# Altium PCB PCB1.PcbDoc (continued)
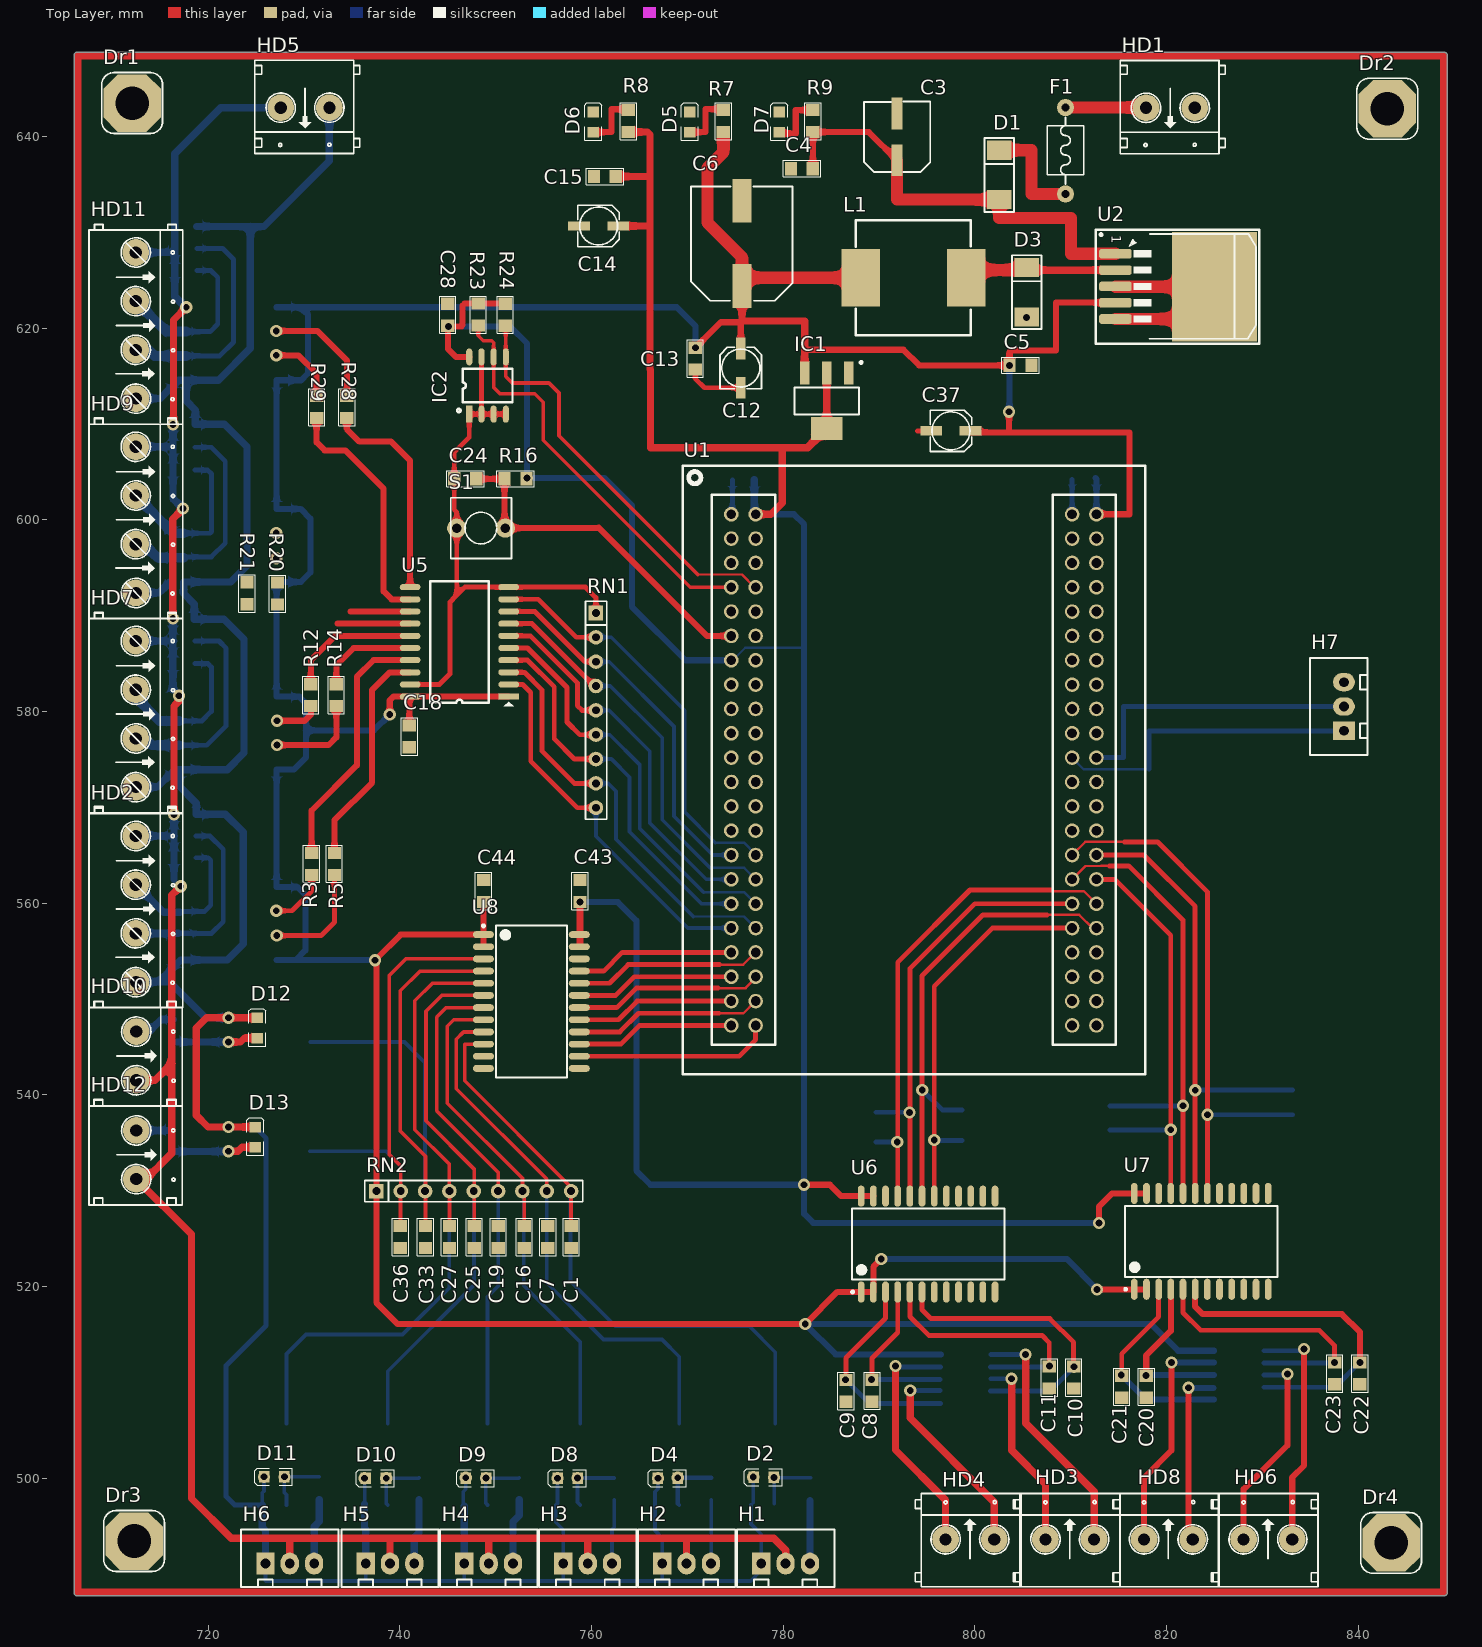
[diagram p0: Top Layer view]
## Footprints (in the part's own frame and the unit in brackets; to place one, negate y for a bottom-side part, rotate by r counter-clockwise, add the part's x,y. Pads: shape width x height; smd on the part's side, far side on the other; paste and mask are expansions set on the pad) (continued)
INDUCTOR_SMD [mm] "100uH/3A SMD 12x12x8mm inductor"
  rect 4x6 smd: 1(0,0) 2(11,0)
  silkscreen extent -0.5,-6 11.5,6, body extent -0.5,-6 11.5,6, height 10
LED_0805_Blue [mm] "Chip LED, 2-Leads, Body 2.0x1.3mm, IPC Medium Density"
  rect 1.1x1.2 smd: 1(-1.05,0) 2(1.05,0)
  silkscreen extent -1.91,-0.89 2.03,0.89, body extent -1.01,-0.62 1.01,0.63, height 1.1
RES-SM-0805 [mil]
  rect 50x55 smd: 1(0,0) 2(90,0)
  silkscreen extent -32,-34 121,33, body extent 6,-25 84,24, height 10
RN8 [mil] "R SIP8, 9 Pin"
  rect 60x60 hole 32: 1(0,0)
  round 60 hole 32: 2(100,0) 3(200,0) 4(300,0) 5(400,0) 6(500,0) 7(600,0) 8(700,0) 9(800,0)
  silkscreen extent -48,-43 847,44, body extent -43,-25 843,24, height 219
SO14-150mil [mm] "Small Outline; 14 Leads; Body Width 3.9 mm; Pitch 1.27 mm"
  rect 0.6x2 smd: 1(-3.81,-2.6) 2(-2.54,-2.6) 3(-1.27,-2.6) 4(0,-2.6) 5(1.27,-2.6) 6(2.54,-2.6) 7(3.81,-2.6) 8(3.81,2.6) 9(2.54,2.6) 10(1.27,2.6) 11(0,2.6) 12(-1.27,2.6) 13(-2.54,2.6) 14(-3.81,2.6)
  silkscreen extent -4.78,-2.72 4.38,1.1, body extent -4.32,-3 4.32,3.2, height 1.7
SOIC8 [mil]
  rect 70x25 smd: 1(0,0)
  oval 70x25 smd: 2(0,-50) 3(0,-100) 4(0,-150) 5(235,-150) 6(235,-100) 7(235,-50) 8(235,0)
  silkscreen extent 8,-178 187,50, body extent -1,-171 235,21, height 69
soic20 [mil]
  rect 85x25 smd: 1(0,0)
  oval 85x25 smd: 2(0,-50) 3(0,-100) 4(0,-150) 5(0,-200) 6(0,-250) 7(0,-300) 8(0,-350) 9(0,-400) 10(0,-450) 11(405,-450) 12(405,-400) 13(405,-350) 14(405,-300) 15(405,-250) 16(405,-200) 17(405,-150) 18(405,-100) 19(405,-50) 20(405,0)
  silkscreen extent -20,-475 323,40, body extent 0,-473 410,23, height 102
"SOIC24 - wide" [mm] "SOIC, 24-Leads, Body 15.4x7.5mm, Pitch 1.27mm, IPC Low Density"
  oval 2.2x0.7 smd: 1(-5,6.985) 2(-5,5.715) 3(-5,4.445) 4(-5,3.175) 5(-5,1.905) 6(-5,0.635) 7(-5,-0.635) 8(-5,-1.905) 9(-5,-3.175) 10(-5,-4.445) 11(-5,-5.715) 12(-5,-6.985) 13(5,-6.985) 14(5,-5.715) 15(5,-4.445) 16(5,-3.175) 17(5,-1.905) 18(5,-0.635) 19(5,0.635) 20(5,1.905) 21(5,3.175) 22(5,4.445) 23(5,5.715) 24(5,6.985)
  silkscreen extent -5.12,-7.95 3.7,8.01, body extent -5.15,-7.8 5.15,7.8, height 2.65
"SOP4 2.54" [mm]
  rect 2x1.2 smd: 1(0,0)
  oval 2x1.2 smd: 2(0,-2.54) 3(8.5,-2.54) 4(8.5,0)
  silkscreen extent 1.3,-3.81 7.24,1.27, body extent -0.78,-3.56 9.22,1.02, height 3.85
SOT223-4N [mm] "SOT223, 4-Leads, Body 6.5x3.5mm, Pitch 2.3mm, Lead Span 7mm, IPC Medium Density"
  rect 2.4x1 smd: 1(-2.9,2.3) 2(-2.9,0) 3(-2.9,-2.3)
  rect 2.4x3.3 smd: 4(2.9,0)
  silkscreen extent -4.14,-3.35 1.4,3.71, body extent -3.39,-3.27 3.5,3.23, height 1.72
STM_CPLD_Board [mil] "Stm32f4 and Max2 520 on one board"
  round 60 hole 40: 1(0,0) 2(0,-100) 3(0,-200) 4(0,-300) 5(0,-400) 6(0,-500) 7(0,-600) 8(0,-700) 9(0,-800) 10(0,-900) 11(0,-1000) 12(0,-1100) 13(0,-1200) 14(0,-1300) 15(0,-1400) 16(0,-1500) 17(0,-1600) 18(0,-1700) 19(0,-1800) 20(0,-1900) 21(0,-2000) 22(0,-2100) 23(100,-2100) 24(100,-2000) 25(100,-1900) 26(100,-1800) 27(100,-1700) 28(100,-1600) 29(100,-1500) 30(100,-1400) 31(100,-1300) 32(100,-1200) 33(100,-1100) 34(100,-1000) 35(100,-900) 36(100,-800) 37(100,-700) 38(100,-600) 39(100,-500) 40(100,-400) 41(100,-300) 42(100,-200) 43(100,-100) 44(100,0) 45(1400,0) 46(1400,-100) 47(1400,-200) 48(1400,-300) 49(1400,-400) 50(1400,-500) 51(1400,-600) 52(1400,-700) 53(1400,-800) 54(1400,-900) 55(1400,-1000) 56(1400,-1100) 57(1400,-1200) 58(1400,-1300) 59(1400,-1400) 60(1400,-1500) 61(1400,-1600) 62(1400,-1700) 63(1400,-1800) 64(1400,-1900) 65(1400,-2000) 66(1400,-2100) 67(1500,-2100) 68(1500,-2000) 69(1500,-1900) 70(1500,-1800) 71(1500,-1700) 72(1500,-1600) 73(1500,-1500) 74(1500,-1400) 75(1500,-1300) 76(1500,-1200) 77(1500,-1100) 78(1500,-1000) 79(1500,-900) 80(1500,-800) 81(1500,-700) 82(1500,-600) 83(1500,-500) 84(1500,-400) 85(1500,-300) 86(1500,-200) 87(1500,-100) 88(1500,0)
  silkscreen extent -200,-2300 1700,200
SW2 [mm] "SW button 2pin, 250x 250 mil"
  round 2 hole 1: 1(0,0) 2(5.08,0)
  silkscreen extent -0.64,-3.17 5.71,3.17, body extent -0.51,-3.05 5.59,3.05, height 4.2
TO263 [mm]
  rect 11.43x8.89 smd: 0(3.429,10.338)
  rrect50% 1x3.4 smd: 1(0,0) 2(1.7,0) 4(5.1,0) 5(6.8,0)
  rrect50% 1x3.4 smd mask+0: 3(3.4,0)
  silkscreen extent -2.51,-2.03 9.37,15.01, body extent -1.68,-0.86 8.48,13.78, height 4.57

## Part data
C1 C2 C4 C5 C7 C8 C9 C10 C11 C13 C15 C16 C17 C18 C19 C20 C21 C22 C23 C24 C25 C26 C27 C28 C29 C30 C31 C32 C33 C34 C35 C36 C38 C39 C40 C41 C42 C43 C44: library part CAP_SM_0805, "Ceramic Capacitor SMD"
C3 C6: library part Cap_SM_Alu, "SMD Aluminum Electrolytic Capacitor"
C12 C14 C37: library part CP2, "C 47uF/50V , 220uF/16V"
D1: library part Diode, "General Rectifier"
D2 D4 D5 D6 D7 D8 D9 D10 D11 D12 D13: library part LED_SMD, "LED SMD"
D3: "Surface Mount Schottky Barrier Rectifier"
Dr1 Dr2 Dr3 Dr4: library part "Drill 3mm", "Drill 3mm"
F1: library part "Ferrite bead", "Ferrite bead"
H1 H2 H3 H4 H5 H6 H7: library part "Header white 3", "Connector 3"
HD1 HD3 HD4 HD5 HD6 HD8 HD10 HD12: library part "Domino 2", "Domino 2 200mil"
HD2 HD7 HD9 HD11: library part "Domino 4", "Domino 4 200mil"
IC1: library part LM1117, "Available in 1.8V, 2.5V, 2.85V, 3.3V, 5V, and  Adjustable Versions"
IC2: "Standard 2-Wire Bus Interface Serial EEPROM"
L1: library part L1, "Inductor"
OP1 OP3 OP4 OP6 OP7 OP9 OP10 OP12: "OPTO"
OP2 OP5 OP8 OP11: "High CMR, High Speed TTL Compatible Optocouplers"
R1 R2 R3 R4 R5 R6 R7 R8 R9 R10 R11 R12 R13 R14 R15 R16 R17 R18 R19 R20 R21 R22 R23 R24 R25 R26 R27 R28 R29 R30: library part Res-SMD, "Resistor"
RN1 RN2: library part RN8, "Resistor 8 (Thanh)"
S1: library part "SW - 2Pin", "Switch button 2 pin"
U1: "STM32f4 and Max2 570 on one board"
U2: library part LM2596, "SIMPLE SWITCHER® Power Converter 150-kHz - 3A Step-Down Voltage Regulator"
U3 U4: "Hex Inverters With SCHMITT-TRIGGER Inputs"
U5: library part 74HC245, "Octal bus tranceiver"
U6 U7 U8: "Octal dual supply translating transceiver; 3-state"

## Via types
v1: diameter 1.27, hole 0.711, Top Layer to Bottom Layer, 69 vias

## Nets (pads, with @x,y where several pads share a name; then routed paths per layer and width w, separated by ;. In a path a pad name is that pad's centre, name@x,y a point inside that pad or via, vN(x,y) a via of type N, cw(c..) or ccw(c..) an arc to the next point about the centre after c; other vN are vias at no path point)
3V3: C14.1 C15.1 C28.2 C35.1 C43.2 IC1.2 IC1.4 IC2.8 R8.1 R16.1 R23.2 R24.1 U1.7 U1.44 U6.23 U6.24 U7.23 U7.24 U8.23 U8.24 | length 337.8
  Top Layer w0.381: U8.23 U8.23@758.791,555.539 ; v1@782.168,530.497 v1(782.168,530.628)
  Top Layer w0.635: IC2.8 745.835,617.001 744.995,617.841 744.995,620.189 746.396,620.189 746.524,620.317 746.524,622.356 746.736,622.568 R23.2 R24.1@750.86,622.568 ; v1(782.168,530.628) 784.854,530.628 786.044,529.438 U6.24 U6.23 ; v1(812.925,526.642) 812.925,528.328 814.318,529.72 U7.24 U7.23
  Top Layer w0.762: U8.23@758.791,555.539 v1(758.791,560.124) ; C15.1 766.05,635.821 ; C14.1 765.998,630.666 ; R8.1 765.818,640.466 766.08,640.203 766.08,615.71 ; 766.131,615.658 766.131,607.524 782.541,607.524 IC1.4 IC1.2 ; U1.44 778.724,600.588 779.897,601.761 779.897,607.403
  Bottom Layer w0.254: U1.7 774.719,585.348 776.032,586.661 782.179,586.661
  Bottom Layer w0.635: v1(745.057,620.164) 751.509,620.164 753.271,618.402 v1(753.271,604.379) 761.337,604.379 764.198,601.518 764.198,590.943 769.793,585.348 U1.7 ; v1(758.791,560.124) 762.725,560.124 764.672,558.176 764.672,532.098 766.142,530.628 v1(782.168,530.628) ; U1.44 781.103,600.588 782.168,599.523 v1(782.168,530.628) ; v1(812.925,526.642) 783.126,526.642 782.168,527.599 v1(782.168,530.628)
  Bottom Layer w0.762: U1.44@776.977,600.724 C35.1
5V: C5.2 C6.1 C12.1 C13.1 C18.2 C37.1 C38.1 C44.2 IC1.3 L1.2 OP2.1 OP2.4 OP5.1 OP5.4 OP8.1 OP8.4 OP11.1 OP11.4 R7.1 RN2.1 U1.88 U2.4 U3.14 U4.14 U5.1 U5.20 U6.1 U6.2 U7.1 U7.2 U8.1 U8.2 | length 501.5
  Top Layer w0.635: v1(738.933,579.685) 738.933,581.171 739.313,581.55 U5.20 U5.1 ; C18.2 U5.20@740.976,581.47 ; U8.2@748.73,555.479 U8.1@748.73,556.729 ; C44.2 U8.1@748.73,556.729 ; C13.1 773.486,620.62 775.561,620.62 C12.1 ; 782.409,617.748 792.534,617.748 794.167,616.116 v1(803.595,616.116) 803.595,617.522 803.744,617.671 808.433,617.671 808.433,622.66 U2.4 ; v1@790.005,522.674 789.393,522.062 U6.2 U6.1 785.643,519.438 v1(782.295,516.09) 739.767,516.09 737.539,518.318 RN2.1 737.539,554.181 740.086,556.729 U8.1 U8.1@748.73,556.729 ; C37.1@799.547,609.134 803.49,609.134 ; v1(803.554,611.275) 803.554,609.198 803.49,609.134 ; U1.88 816.101,600.588 816.101,609.134 803.49,609.134 ; v1(812.722,519.699) U7.2@817.87,519.699
  Top Layer w0.762: C6.1 775.693,620.753 782.228,620.753 IC1.3@782.228,614.945
  Top Layer w1.27: R7.1 773.752,638.385 772.077,636.709 772.077,631.011 775.693,627.394 C6.1 776.552,625.256 L1.2
  Bottom Layer w0.635: OP2.4 729.116,554.071 ; OP11.1 729.641,622.186 ; 730.177,580.959 730.177,580.885 ; v1@737.406,554.071 729.116,554.071 ; v1(738.933,579.685) 737.286,578.037 730.177,578.037 ; v1(770.826,617.964) 770.826,620.237 768.877,622.186 729.641,622.186 ; v1(790.21,522.881) 809.584,522.881 812.722,519.743 v1(812.722,519.699) ; U3.14 796.425,512.921 785.464,512.921 v1(782.295,516.09) 818.404,516.09 821.193,513.301 U4.14 ; v1@803.595,611.315 v1(803.595,616.116) ; C38.1 812.673,604.265 U1.88 ; 729.116,554.071 730.129,555.084 730.129,560.863 729.301,561.691 OP2.1 OP5.4 728.925,573.937 730.177,575.189 730.177,578.037 ; 729.641,622.186 730.393,621.434 730.393,615.271 729.688,614.566 OP11.4 OP8.1 729.635,601.138 730.657,600.116 730.657,594.505 729.669,593.518 OP8.4 OP5.1 729.506,581.557 730.177,580.885 ; 730.177,578.037 730.177,580.885
  other v1: 737.406,554.049
24V: C3.1 C4.1 D1.2 R9.1 U2.1 | length 46.4
  Top Layer w0.635: C4.1@783.082,636.66 R9.1 788.937,640.466 C3.1
  Top Layer w1.27: C3.1 791.878,633.414 D1.2 802.531,631.503 810.009,631.503 810.009,627.76 U2.1
DIR_0: RN1.8 U1.27 U5.3 | length 43.5
  Top Layer w0.508: U5.3 752.995,584.09 754.806,582.28 754.806,575.897 758.198,572.505 RN1.8
  Bottom Layer w0.254: 770.593,558.615 775.906,558.615 U1.27
  Bottom Layer w0.381: RN1.8 761.716,572.505 762.539,571.681 762.539,566.669 770.593,558.615
DIR_1: RN1.6 U1.28 U5.5 | length 42.8
  Top Layer w0.508: U5.5 753.311,586.63 757.433,582.509 757.433,578.911 758.759,577.585 RN1.6
  Bottom Layer w0.254: 771.681,561.155 775.906,561.155 U1.28
  Bottom Layer w0.381: RN1.6 761.889,577.585 765.003,574.471 765.003,567.832 771.681,561.155
DIR_2: RN1.4 U1.29 U5.7 | length 41.7
  Top Layer w0.508: U5.7 753.777,589.17 RN1.4@760.283,582.665
  Bottom Layer w0.254: 772.355,563.695 775.906,563.695 U1.29
  Bottom Layer w0.381: RN1.4 761.944,582.665 767.353,577.256 767.353,568.697 772.355,563.695
DIR_3: RN1.2 U1.30 U5.9 | length 43.1
  Top Layer w0.508: U5.9 754.426,591.71 758.391,587.745 RN1.2
  Bottom Layer w0.254: 772.895,566.318 775.884,566.318 777.113,565.088 U1.30
  Bottom Layer w0.381: RN1.2 762.058,587.745 769.703,580.099 769.703,569.509 772.895,566.318
EEP_SCL: IC2.6 R23.1 U1.4 | length 43.4
  Top Layer w0.381: R23.1 748.164,619.215 748.688,618.691 749.561,618.691 749.773,618.48 IC2.6 749.773,613.815 750.426,613.162 754.056,613.162 754.956,612.261 754.956,608.3 770.287,592.968 U1.4
EEP_SDA: IC2.5 R24.2 U1.41 | length 42.9
  Top Layer w0.254: 771.057,594.302 775.676,594.302 777.01,592.968 U1.41
  Top Layer w0.381: R24.2@751.043,620.1 IC2.5 751.043,614.967 751.725,614.285 755.54,614.285 756.594,613.231 756.594,608.765 771.057,594.302
ENC_A0: C30.2 U1.71 U6.19 | length 49.4
  Top Layer w0.254: 807.501,558.778 810.879,558.778 812.249,557.408 U1.71
  Top Layer w0.508: U6.19 794.473,552.419 800.832,558.778 807.501,558.778
  Bottom Layer w0.508: v1(794.5,540.515) 796.581,538.434 C30.2
ENC_A1: C32.2 U1.72 U6.21 | length 51
  Top Layer w0.254: 807.925,561.381 808.054,561.252 811.369,561.252 U1.72
  Top Layer w0.508: U6.21 791.933,553.837 799.478,561.381 807.925,561.381
  Bottom Layer w0.508: C32.2 v1@791.866,535.084
  other v1: 791.881,535.099
ENC_A2: C40.2 U1.74 U7.19 | length 52.6
  Top Layer w0.508: U1.74 817.625,565.028 822.971,559.682 U7.19
  Bottom Layer w0.508: v1@822.979,540.498 C40.2
  other v1: 822.974,540.492
ENC_A3: C42.2 U1.73 U7.21 | length 43.2
  Top Layer w0.508: U1.73 814.593,562.488 820.431,556.65 U7.21
  Bottom Layer w0.508: C42.2 v1@820.126,536.325
  other v1: 820.418,536.363
ENC_B0: C29.2 U1.62 U6.18 | length 41.8
  Top Layer w0.508: U6.18 795.743,551.333 801.818,557.408 U1.62
  Bottom Layer w0.508: v1(795.751,535.309) 795.833,535.228 C29.2
ENC_B1: C31.2 U1.61 U6.20 | length 46.9
  Top Layer w0.508: U6.20 793.203,553.169 799.982,559.948 U1.61
  Bottom Layer w0.508: C31.2 v1@793.141,538.194
  other v1: 793.169,538.166
ENC_B2: C39.2 U1.59 U7.18 | length 57.6
  Top Layer w0.254: U1.59@810.537,565.028 U1.59 811.502,566.397 815.578,566.397
  Top Layer w0.508: 815.578,566.397 819.042,566.397 824.241,561.198 U7.18
  Bottom Layer w0.508: v1@824.267,537.929 C39.2
  other v1: 824.262,537.924
ENC_B3: C41.2 U1.60 U7.20 | length 50.5
  Top Layer w0.254: U1.60 811.53,563.885 813.146,563.885 813.151,563.89 814.015,563.89
  Top Layer w0.508: 814.015,563.89 816.04,563.89 821.701,558.229 U7.20
  Bottom Layer w0.508: C41.2 v1@821.605,538.851
  other v1: 821.716,538.868
GND: C1.1 C3.2 C4.2 C5.1 C6.2 C7.1 C8.1 C9.1 C10.1 C11.1 C12.2 C13.2 C14.2 C15.2 C16.1 C18.1 C19.1 C20.1 C21.1 C22.1 C23.1 C24.2 C25.1 C27.1 C28.1 C29.1 C30.1 C31.1 C32.1 C33.1 C35.2 C36.1 C37.2 C38.2 C39.1 C40.1 C41.1 C42.1 C43.1 C44.1 D3.2 D5.2 D6.2 D7.2 H7.3 HD1.1 IC1.1 IC2.1 IC2.2 IC2.3 IC2.4 IC2.7 OP1.3 OP3.3 OP4.3 OP6.3 OP7.3 OP9.3 OP10.3 OP12.3 RN1.1 S1.1 U1.1 U1.14 U1.31 U1.45 U1.58 U1.75 U2.0 U2.3 U2.5 U3.7 U4.7 U5.10 U5.19 U6.11 U6.12 U6.13 U6.22 U7.11 U7.12 U7.13 U7.22 U8.11 U8.12 U8.13 U8.22 | length 94.4
  Top Layer w0.508: U5.19 744.11,582.82 745.222,583.933 745.222,591.423 745.921,592.121 ; IC2.7 IC2.2 ; IC2.4 IC2.3 IC2.2 ; RN1.1 760.448,591.886 759.353,592.98 U5.10 746.78,592.98 745.921,592.121 ; D5.2@770.15,642.634 D5.2 ; C13.2 770.828,614.736 771.778,613.785 C12.2 ; 793.973,609.29 C37.2 ; 745.921,592.121 S1.1 745.921,600.811 745.671,601.062 C24.2 745.671,607.045 747.233,608.607 IC2.1 IC2.2
  Top Layer w1.27: U2.5 U2.0@821.619,620.96 ; U2.3 814.681,624.331 U2.0 U2.0@822.928,626.393
  Bottom Layer w0.508: U1.1@774.691,600.706 C35.2 ; U1.45 C38.2@810.133,604.196
  other v1: 805.374,621.11
H_DIR_0: HD2.2 OP2.7 R2.2 | length 15.5
  Bottom Layer w0.508: OP2.7@717.135,559.151 719.623,559.151 720.257,559.785 720.257,564.469 719.987,564.739 R2.2
  Bottom Layer w0.762: HD2.2 715.32,559.047 OP2.7@717.031,559.047
H_DIR_1: HD7.2 OP5.7 R11.2 | length 16.6
  Bottom Layer w0.508: OP5.7 719.325,579.017 720.328,580.02 720.328,584.637 719.971,584.994 R11.2
  Bottom Layer w1.016: HD7.2 712.436,581.487 714.905,579.017 OP5.7
H_DIR_2: HD9.2 OP8.7 R19.2 | length 17.5
  Bottom Layer w0.508: OP8.7@717.426,598.598 720.183,598.598 720.341,598.756 720.341,604.786 719.933,605.195 R19.2
  Bottom Layer w1.016: HD9.2 716.381,598.598 OP8.7@717.426,598.598
H_DIR_3: HD11.2 OP11.7 R26.2 | length 17.5
  Bottom Layer w0.508: OP11.7@717.694,619.646 720.193,619.646 720.984,620.436 720.984,625.305 720.275,626.015 R26.2
  Bottom Layer w1.016: HD11.2 715.609,619.646 OP11.7@717.694,619.646
H_ENC_A0: HD3.2 U3.1 | length 25.9
  Top Layer w0.762: v1(805.283,512.917) 805.283,505.735 812.429,498.588 HD3.2
  Bottom Layer w0.508: U3.1@801.645,512.917 v1(805.283,512.917)
H_ENC_A1: HD4.2 U3.11 | length 22.3
  Top Layer w0.762: v1(793.235,509.158) 793.235,506.287 802.012,497.511 HD4.2
  Bottom Layer w0.508: v1(793.235,509.158) U3.11@796.353,509.158
H_ENC_A2: HD6.2 U4.1 | length 24.4
  Top Layer w0.635: HD6.2 833.107,500.096 834.34,501.329 v1(834.34,513.494)
  Bottom Layer w0.508: U4.1 v1@834.146,513.301
H_ENC_A3: HD8.2 U4.11 | length 18.6
  Top Layer w0.635: v1(822.291,509.436) 822.291,494.05 HD8.2
  Bottom Layer w0.635: v1(822.291,509.436) U4.11@824.897,509.436
H_ENC_B0: HD3.1 U3.3 | length 20.4
  Top Layer w0.762: v1(803.821,510.382) 803.821,502.908 807.349,499.379 HD3.1
  Bottom Layer w0.508: U3.3@801.65,510.382 v1(803.821,510.382)
H_ENC_B1: HD4.1 U3.13 | length 24.9
  Top Layer w0.762: v1(791.699,511.714) 791.699,502.949 796.932,497.716 HD4.1
  Bottom Layer w0.508: v1@791.786,511.627 U3.13
H_ENC_B2: HD6.1 U4.3 | length 21.5
  Top Layer w0.635: HD6.1 828.027,498.851 832.59,503.415 v1(832.59,510.889)
  Bottom Layer w0.508: U4.3 v1@832.463,510.761
H_ENC_B3: HD8.1 U4.13 | length 24
  Top Layer w0.635: HD8.1 817.638,500.041 820.505,502.908 v1(820.505,512.066)
  Bottom Layer w0.635: v1(820.505,512.066) U4.13@824.916,512.066
H_IN+_0: H1.3 R1.2 | length 6.6
  Bottom Layer w0.762: H1.3 R1.2@782.779,497.668
H_IN+_1: H2.3 R4.2 | length 6.6
  Bottom Layer w0.381: H2.3@772.479,491.138 R4.2
H_IN+_2: H3.3 R10.2 | length 6.8
  Bottom Layer w0.381: H3.3 762.128,494.644 762.369,494.885 R10.2
H_IN+_3: H4.3 R13.2 | length 6.9
  Bottom Layer w0.762: H4.3 751.794,495.471 752.44,496.117 R13.2
H_IN+_4: H5.3 R17.2 | length 6.9
  Bottom Layer w0.762: H5.3 741.503,493.821 741.985,494.304 R17.2
H_IN+_5: H6.3 R18.2 | length 6.9
  Bottom Layer w0.762: H6.3 731.043,494.945 731.592,495.494 R18.2
H_IN+_6: HD10.1 R25.2 | length 4.4
  Bottom Layer w0.762: HD10.1 713.826,546.607 715.094,547.875 R25.2
H_IN+_7: HD12.1 R27.2 | length 3.7
  Bottom Layer w0.762: HD12.1 R27.2@716.142,536.288
H_IN-_0: C2.1 C17.1 C26.1 C34.1 D2.2 D4.2 D8.2 D9.2 D10.2 D11.2 D12.2 D13.2 H1.1 H2.1 H3.1 H4.1 H5.1 H6.1 HD2.4 HD5.1 HD7.4 HD9.4 HD11.4 OP1.2 OP2.5 OP3.2 OP4.2 OP5.5 OP6.2 OP7.2 OP8.5 OP9.2 OP10.2 OP11.5 OP12.2 | length 350.1
  Top Layer w0.762: D13.2@724.63,536.656 v1(722.104,536.656) 719.964,536.656 718.743,537.877 718.743,546.977 719.819,548.053 v1(722.123,548.053) D12.2@724.821,548.053
  Bottom Layer w0.381: OP9.2 725.617,498.48 725.813,498.676 v1(725.813,500.147) ; H6.1 725.963,489.302 725.989,489.276 776.588,489.276 777.699,490.387 H1.1 777.699,494.154 776.63,495.224 OP1.2 ; OP7.2@736.308,497.316 v1(736.308,499.994) ; 736.423,489.387 H5.1 ; OP6.2 746.6,498.596 746.873,498.869 v1(746.873,500.05) ; 746.714,489.319 H4.1 ; v1(756.433,500) 756.433,497.374 OP4.2 756.265,495.401 757.048,494.617 H3.1 757.048,489.281 ; v1(766.925,500) 766.925,498.918 766.607,498.6 OP3.2 766.607,494.557 767.362,493.802 H2.1 767.362,489.292 ; OP1.2@776.865,497.44 v1(776.865,500.144)
  Bottom Layer w0.508: v1(722.104,536.656) 724.831,536.656 726.029,535.458 726.029,515.934 721.846,511.752 721.846,498.113 722.754,497.205 OP9.2
  Bottom Layer w0.762: HD2.4 714.836,551.772 ; HD7.4 714.704,572.116 716.525,573.937 OP5.5 ; HD9.4 714.855,592.383 OP8.5@715.99,593.518 ; HD11.4 714.997,612.659 716.904,614.566 OP11.5@717.694,614.566 ; C17.1@718.542,589.637 718.542,591.199 717.426,592.315 717.426,593.518 722.329,593.518 724.033,595.222 724.033,607.644 721.695,609.982 C26.1 718.649,611.466 717.694,612.421 OP11.5@717.694,614.566 ; C17.1 721.636,589.637 723.732,587.541 723.732,575.696 721.973,573.937 OP5.5 ; C34.1 724.392,630.611 ; v1(722.123,548.053) 719.706,548.053 715.986,551.772 714.836,551.772 ; OP9.2 725.617,494.903 725.963,494.557 H6.1 ; HD5.1 732.635,637.436 725.809,630.611 724.392,630.611 ; OP7.2@736.308,497.316 736.308,494.754 736.423,494.639 H5.1 ; H4.1 OP6.2@746.714,497.091 ; 714.836,551.772 717.135,554.071 721.966,554.071 723.636,555.741 723.636,567.423 721.786,569.274 C2.1 718.753,570.445 716.973,572.226 OP5.5 ; OP11.5@717.694,614.566 721.058,614.566 724.392,617.9 724.392,630.611
H_PWM_0: HD2.3 OP2.6 R6.2 | length 20.6
  Bottom Layer w0.508: OP2.6@716.894,556.852 720.338,556.852 721.567,558.082 721.567,565.615 720.17,567.012 R6.2
  Bottom Layer w0.762: HD2.3 OP2.6@716.894,556.852
H_PWM_1: HD7.3 OP5.6 R15.2 | length 22.2
  Bottom Layer w0.508: OP5.6 719.837,576.477 721.863,578.503 721.863,586.61 721.117,587.356 R15.2
  Bottom Layer w1.016: HD7.3 713.413,577.196 714.131,576.477 OP5.6
H_PWM_2: HD9.3 OP8.6 R22.2 | length 22.8
  Bottom Layer w0.508: OP8.6@717.426,596.058 717.501,596.133 720.329,596.133 721.776,597.579 721.776,606.121 720.327,607.57 R22.2
  Bottom Layer w1.016: HD9.3 713.31,597.463 714.715,596.058 OP8.6@717.426,596.058
H_PWM_3: HD11.3 OP11.6 R30.2 | length 24
  Bottom Layer w0.508: OP11.6@717.694,617.106 721.201,617.106 722.631,618.535 722.631,627.172 721.49,628.313 R30.2
  Bottom Layer w1.016: HD11.3 713.765,617.739 714.399,617.106 OP11.6@717.694,617.106
IN_0: U1.23 U8.14 | length 20.6
  Top Layer w0.508: U8.14 775.39,544.029 777.113,545.752 U1.23
IN_1: U1.22 U8.15 | length 16.7
  Top Layer w0.508: U8.15 763.049,545.299 764.999,547.248 U1.22
IN_2: U1.24 U8.16 | length 19.7
  Top Layer w0.254: 773.307,548.513 775.837,548.513 U1.24
  Top Layer w0.508: U8.16 762.944,546.569 764.887,548.513 773.307,548.513
IN_3: U1.21 U8.17 | length 16.7
  Top Layer w0.508: U8.17 762.801,547.839 764.751,549.788 U1.21
IN_4: U1.25 U8.18 | length 19.8
  Top Layer w0.254: 773.178,551.136 776.058,551.136 777.113,552.19 U1.25
  Top Layer w0.508: U8.18 762.622,549.109 764.649,551.136 773.178,551.136
IN_5: U1.20 U8.19 | length 16.7
  Top Layer w0.508: U8.19 762.516,550.379 764.466,552.328 U1.20
IN_6: U1.26 U8.20 | length 19.7
  Top Layer w0.254: 773.362,553.594 775.82,553.594 777.094,554.868 U1.26
  Top Layer w0.508: U8.20 761.86,551.649 763.805,553.594 773.362,553.594
IN_7: U1.19 U8.21 | length 16.7
  Top Layer w0.508: U8.21 761.259,552.919 763.209,554.868 U1.19
IN_EN_A0: C11.2 U3.2 U6.5 | length 26.8
  Top Layer w0.508: U6.5 793.203,516.88 795.172,514.911 806.989,514.911 807.746,514.154 C11.2
  Bottom Layer w0.508: U3.2 v1@807.706,511.627
  other v1: 807.783,511.703
IN_EN_A1: C9.2 U3.10 U6.3 | length 21.8
  Top Layer w0.508: C9.2 786.539,512.575 790.663,516.699 U6.3
  Bottom Layer w0.508: v1(786.5,510.278) 788.961,507.817 U3.10
IN_EN_A2: C23.2 U4.2 U7.5 | length 28.8
  Top Layer w0.508: U7.5 821.701,517.278 823.54,515.439 835.929,515.439 837.524,513.844 v1(837.524,512.085)
  Bottom Layer w0.508: U4.2 v1@837.471,512.032
IN_EN_A3: C21.2 U4.10 U7.3 | length 21.4
  Top Layer w0.508: C21.2 815.306,512.995 819.161,516.85 U7.3
  Bottom Layer w0.635: v1(815.266,510.775) 817.82,508.221 U4.10
IN_EN_B0: C10.2 U3.4 U6.6 | length 31.4
  Top Layer w0.508: U6.6 794.473,517.59 795.409,516.654 807.816,516.654 810.286,514.184 C10.2
  Bottom Layer w0.508: U3.4 807.798,509.087 v1(810.346,511.634)
IN_EN_B1: C8.2 U3.12 U6.4 | length 17.4
  Top Layer w0.508: C8.2 789.257,512.534 791.933,515.21 U6.4
  Bottom Layer w0.508: v1(789.201,510.294) 789.209,510.301 793.709,510.301 793.716,510.294 U3.12@796.363,510.294
IN_EN_B2: C22.2 U4.4 U7.6 | length 34.4
  Top Layer w0.635: U7.6 822.971,517.905 823.742,517.134 838.29,517.134 840.16,515.263 v1(840.16,512.085)
  Bottom Layer w0.508: U4.4 837.566,509.491 v1(840.16,512.085)
IN_EN_B3: C20.2 U4.12 U7.4 | length 17.1
  Top Layer w0.635: C20.2 817.87,512.816 820.431,515.376 U7.4
  Bottom Layer w0.635: v1@817.911,510.761 U4.12
  other v1: 817.856,510.706
NetD1_1: D1.1 F1.2 | length 11.5
  Top Layer w1.27: D1.1 805.88,638.57 805.88,634.004 F1.2
NetD2_1: D2.1 OP1.1 R1.1 | length 6.5
  Bottom Layer w0.381: OP1.1@779.042,497.333 v1(779.042,500.088) ; v1@779.084,500.046 R1.1
NetD3_1: D3.1 L1.1 U2.2 | length 14.8
  Top Layer w0.762: D3.1@805.681,626.06 U2.2
  Top Layer w1.27: L1.1@799.88,626.06 D3.1@805.681,626.06
NetD4_1: D4.1 OP3.1 R4.1 | length 6.4
  Bottom Layer w0.381: OP3.1@768.981,497.371 OP3.1
  Bottom Layer w0.508: OP3.1@768.981,497.371 v1(768.981,500.049) ; v1@768.984,500.046 R4.1
NetD5_1: D5.1 R7.2 | length 5.8
  Top Layer w0.635: D5.1 771.899,640.457 771.899,642.859 R7.2@773.645,642.859
NetD6_1: D6.1 R8.2 | length 6
  Top Layer w0.635: D6.1 762.071,640.457 762.071,642.843 R8.2@763.735,642.843
NetD7_1: D7.1 R9.2 | length 5.8
  Top Layer w0.635: D7.1@779.703,640.313 781.295,640.313 781.295,642.752 R9.2
NetD8_1: D8.1 OP4.1 R10.1 | length 6.7
  Bottom Layer w0.381: OP4.1 758.524,497.485 v1(758.524,500.019) R10.1@762.342,500.019
NetD9_1: D9.1 OP6.1 R13.1 | length 6.4
  Bottom Layer w0.381: OP6.1 748.965,497.379 v1(748.965,500.013) 752.406,500.013 R13.1
NetD10_1: D10.1 OP7.1 R17.1 | length 6.3
  Bottom Layer w0.381: OP7.1 738.572,497.37 v1(738.572,500.001) 741.94,500.001 R17.1
NetD11_1: D11.1 OP9.1 R18.1 | length 6.7
  Bottom Layer w0.381: v1(727.94,500.147) 727.94,498.484 728.157,498.267 OP9.1 ; v1@727.967,500.173 R18.1@731.592,500.173
NetD12_1: D12.1 OP10.1 R25.1 | length 8.9
  Top Layer w0.762: v1(722.123,545.513) 723.363,545.513 723.781,545.931 D12.1
  Bottom Layer w0.762: R25.1@716.417,545.513 v1(722.123,545.513)
NetD13_1: D13.1 OP12.1 R27.1 | length 8.8
  Top Layer w0.762: v1(722.104,534.116) 723.08,534.116 723.509,534.545 D13.1
  Bottom Layer w0.762: R27.1 OP12.1@722.08,534.092
NetF1_1: F1.1 HD1.2 | length 8.4
  Top Layer w1.27: F1.1 817.822,643.021 HD1.2
NetOP2_2: OP2.2 R3.2 | length 6.2
  Top Layer w0.508: v1(727.099,559.214) 728.739,559.214 730.786,561.262 R3.2
NetOP2_3: OP2.3 R5.2 | length 11.3
  Top Layer w0.508: v1(727.135,556.62) 731.765,556.62 733.165,558.02 R5.2@733.165,562.742
NetOP5_2: OP5.2 R12.2 | length 4.7
  Top Layer w0.635: v1(727.154,579.034) 730.053,579.034 730.696,579.677 R12.2
NetOP5_3: OP5.3 R14.2 | length 9.8
  Top Layer w0.635: v1(727.171,576.496) 732.543,576.496 733.36,577.313 R14.2
NetOP8_2: OP8.2 R20.2
  other v1: 727.092,598.625
NetOP8_3: OP8.3 R21.2
  other v1: 727.092,595.988
NetOP11_2: OP11.2 R28.2 | length 12.4
  Top Layer w0.635: v1(727.098,619.718) 731.374,619.718 734.458,616.634 R28.2
NetOP11_3: OP11.3 R29.2 | length 7.4
  Top Layer w0.635: v1(727.098,617.167) 729.41,617.167 731.299,615.278 R29.2
NRST: C24.1 R16.2 S1.2 U1.6 | length 36.2
  Top Layer w0.635: C24.1 R16.2 S1.2@750.909,599.231 ; S1.2 760.708,599.139 ; 760.741,599.173 772.026,587.888 U1.6
O_DIR_0: R3.1 U5.17 | length 26.6
  Top Layer w0.635: R3.1 730.786,569.673 735.505,574.392 735.505,583.628 737.237,585.36 U5.17
O_DIR_1: R12.1 U5.15 | length 13.9
  Top Layer w0.635: R12.1 730.696,585.364 733.233,587.9 U5.15
O_DIR_2: R20.1 U5.13 | length 6.2
  Top Layer w0.635: 734.826,590.44 U5.13
O_DIR_3: R28.1 U5.11 | length 22.3
  Top Layer w0.635: R28.1 734.458,609.478 735.769,608.167 739.079,608.167 741.056,606.189 U5.11
O_IN_0: C1.2 OP1.4 RN2.9 U8.10 | length 66.7
  Top Layer w0.381: U8.10 746.756,545.299 746.756,541.467 757.854,530.369 C1.2
  Bottom Layer w0.381: RN2.9@757.795,529.894 757.795,520.557 762.495,515.857 776.467,515.857 779.17,513.154 OP1.4
O_IN_1: C7.2 OP3.4 RN2.8 U8.9 | length 56.3
  Top Layer w0.381: U8.9 746.639,546.569 745.882,545.812 745.882,540.65 755.319,531.213 RN2.8
  Bottom Layer w0.381: 755.319,520.395 RN2.8 ; 755.425,520.289 761.241,514.472 767.34,514.472 769.147,512.666 OP3.4
O_IN_2: C16.2 OP4.4 RN2.7 U8.8 | length 54.7
  Top Layer w0.381: U8.8 745.623,547.839 744.944,547.16 744.944,539.137 752.779,531.302 RN2.7 ; C16.2 RN2.7@752.958,529.778
  Bottom Layer w0.381: RN2.7 752.916,529.82 752.916,520.115 758.805,514.227 OP4.4
O_IN_3: C19.2 OP6.4 RN2.6 U8.7 | length 50.8
  Top Layer w0.381: U8.7 744.839,549.109 743.849,548.119 743.849,538.329 750.239,531.939 RN2.6
  Bottom Layer w0.381: OP6.4 749.14,518.938 750.256,520.054 ; 750.239,520.072 RN2.6
O_IN_4: C25.2 OP7.4 RN2.5 U8.6 | length 59.1
  Top Layer w0.381: C25.2 747.736,532.279 742.724,537.29 742.724,548.738 744.366,550.379 U8.6
  Bottom Layer w0.381: OP7.4 738.737,511.174 747.72,520.157 RN2.5@747.72,529.936
O_IN_5: C27.2 OP9.4 RN2.4 U8.5 | length 70
  Top Layer w0.381: RN2.4 745.159,532.763 741.557,536.365 741.557,549.82 743.385,551.649 U8.5 ; C27.2 RN2.4@745.168,529.948
  Bottom Layer w0.381: OP9.4 728.157,512.965 730.184,514.992 740.262,514.992 745.129,519.858 RN2.4@745.129,529.928
O_IN_6: C33.2 OP10.4 RN2.3 U8.4 | length 61.4
  Top Layer w0.381: C33.2 742.66,533.609 740.043,536.226 740.043,550.858 742.103,552.919 U8.4
  Bottom Layer w0.381: OP10.4 740.473,545.513 742.619,543.367 RN2.3
O_IN_7: C36.2 OP12.4 RN2.2 U8.3 | length 49.9
  Top Layer w0.381: C36.2 RN2.2@740.049,529.928 ; RN2.2 740.079,532.57 738.875,533.774 738.875,552.459 740.605,554.189 U8.3
  Bottom Layer w0.381: OP12.4 738.546,534.116 740.079,532.583 RN2.2
O_PWM_0: R5.1 U5.18 | length 23.6
  Top Layer w0.635: R5.1@733.165,565.028 733.165,568.654 737.09,572.579 737.09,582.261 738.92,584.09 U5.18
O_PWM_1: R14.1 U5.16 | length 10.4
  Top Layer w0.635: R14.1 733.36,584.823 735.167,586.63 U5.16
O_PWM_2: R21.1 U5.14 | length 7.6
  Top Layer w0.635: 733.485,589.17 U5.14
O_PWM_3: R29.1 U5.12 | length 25.3
  Top Layer w0.635: R29.1 731.299,608.087 732.138,607.248 734.305,607.248 738.298,603.255 738.298,592.55 739.137,591.71 U5.12
P02: RN1.3 U1.15 U5.8 | length 39.2
  Top Layer w0.508: U5.8 754.074,590.44 759.31,585.205 RN1.3
  Bottom Layer w0.381: RN1.3 761.841,585.205 768.601,578.445 768.601,569.074 772.646,565.028 U1.15
P04: RN1.5 U1.16 U5.6 | length 39.5
  Top Layer w0.508: U5.6 753.608,587.9 758.506,583.002 758.506,580.623 759.005,580.125 RN1.5
  Bottom Layer w0.381: RN1.5 761.815,580.125 766.077,575.863 766.077,568.378 771.966,562.488 U1.16
P06: RN1.7 U1.17 U5.4 | length 40.3
  Top Layer w0.508: U5.4 753.308,585.36 756.098,582.57 756.098,577.147 758.2,575.045 RN1.7
  Bottom Layer w0.381: RN1.7 762.064,575.045 763.956,573.152 763.956,567.45 771.458,559.948 U1.17
P08: RN1.9 U1.18 U5.2 | length 39.7
  Top Layer w0.508: U5.2 752.815,582.82 753.645,581.989 753.645,574.815 758.496,569.965 RN1.9
  Bottom Layer w0.381: RN1.9 760.448,566.999 770.039,557.408 U1.18
P35: U1.67
P36: U1.66
P38: U1.68
P40: U1.65
P41: U1.69
P42: U1.64
P47: U1.70
P48: U1.63
PA0: U1.38
PA1: U1.8
PA2: U1.37
PA3: U1.9
PA4: U1.36
PA5: U1.10
PA6: U1.35
PA7: U1.11
PA8: U1.83
PA9: U1.49
PA10: U1.84
PA11: U1.48
PA12: U1.85
PA15: U1.47
PB0: U1.33
PB1: U1.13
PB2: U1.32
PB3: U1.2
PB4: U1.43
PB5: U1.3
PB6: U1.42
PB10: H7.1 U1.55 | length 32.9
  Bottom Layer w0.254: U1.55 811.337,573.984 818.17,573.984
  Bottom Layer w0.508: 818.17,573.984 818.17,577.987 H7.1
PB11: H7.2 U1.78 | length 31.2
  Bottom Layer w0.508: U1.78 815.502,575.188 815.502,580.527 H7.2
PB12: U1.54
PB13: U1.79
PB14: U1.53
PB15: U1.80
PC3: U1.39
PC4: U1.34
PC6: U1.81
PC7: U1.51
PC8: U1.82
PC9: U1.50
PC10: U1.86
PC11: U1.46
PC12: U1.87
PD0: U1.56
PD1: U1.77
PD2: U1.57
PD3: U1.76
PE0: U1.5
PE1: U1.40
VDRIVE: C2.2 C17.2 C26.2 C34.2 H1.2 H2.2 H3.2 H4.2 H5.2 H6.2 HD2.1 HD5.2 HD7.1 HD9.1 HD10.2 HD11.1 HD12.2 OP2.8 OP5.8 OP8.8 OP11.8 R2.1 R6.1 R11.1 R15.1 R19.1 R22.1 R26.1 R30.1 | length 257.7
  Top Layer w0.762: HD10.2 714.435,541.527 716.2,543.292 ; v1(716.306,589.697) 716.306,600.096 717.35,601.141 v1(717.35,601.172) ; v1@716.371,609.997 716.371,620.863 v1(717.694,622.186) ; v1(716.422,569.252) 716.422,580.551 716.944,581.074 v1(716.944,581.645) ; v1(717.118,561.769) 716.2,560.851 716.2,543.292 ; H6.2 728.503,493.688 ; H5.2 738.963,493.67 ; H4.2 749.254,493.618 ; H3.2 759.588,493.652 ; H2.2 769.902,493.614 ; H1.2 780.239,492.489 778.998,493.73 722.405,493.73 718.24,497.895 718.24,525.454 HD12.2 713.508,531.208 716.2,533.9 716.2,543.292
  Bottom Layer w0.762: HD2.1 R6.1 ; HD7.1 R15.1@716.306,587.356 ; HD9.1 R22.1@716.185,607.623 ; HD11.1 716.09,627.899 R30.1 ; OP5.8@716.306,582.283 R15.1@716.306,587.356 ; v1(716.306,589.697) R15.1@716.306,587.356 ; v1(716.32,609.946) 716.32,602.202 v1(717.35,601.172) ; R15.1@716.388,587.356 R15.1@716.306,587.356 ; 716.422,562.466 R6.1 ; v1(716.422,569.252) R6.1 ; R6.1@716.433,567.012 R6.1 ; OP11.8@717.61,622.186 716.504,623.292 R26.1 R30.1 ; HD5.2 721.298,643.007 716.504,638.213 R30.1
pads on no net: Dr1.1 Dr2.1 Dr3.1 Dr4.1 U1.12 U1.52 U3.5 U3.6 U3.8 U3.9 U4.5 U4.6 U4.8 U4.9 U6.7 U6.8 U6.9 U6.10 U6.14 U6.15 U6.16 U6.17 U7.7 U7.8 U7.9 U7.10 U7.14 U7.15 U7.16 U7.17
copper on no net: | length 605.7
  Top Layer w0.762: 706.373,488.098 848.897,488.098 848.897,648.433 706.373,648.433 706.373,488.098

## Text inside footprints (layer, text, board x,y; h text height)
U2: Top Overlay "1" at 814.272,629.69 h1 r270